# Altium PCB PCB_Bluetooth_Device_nRF52820.PcbDoc (part 1 of 2)
Units mil, origin at the board's own origin, x right, y up, seen from the top; angles counter-clockwise.
Board outline 2593.5 x 2447.83 mil, 4 copper layers (Layer 1, Layer 2, Layer 3, Layer 4), stack 61.496 mil thick; 106 components, 60 nets, 322 pads, 357 vias.
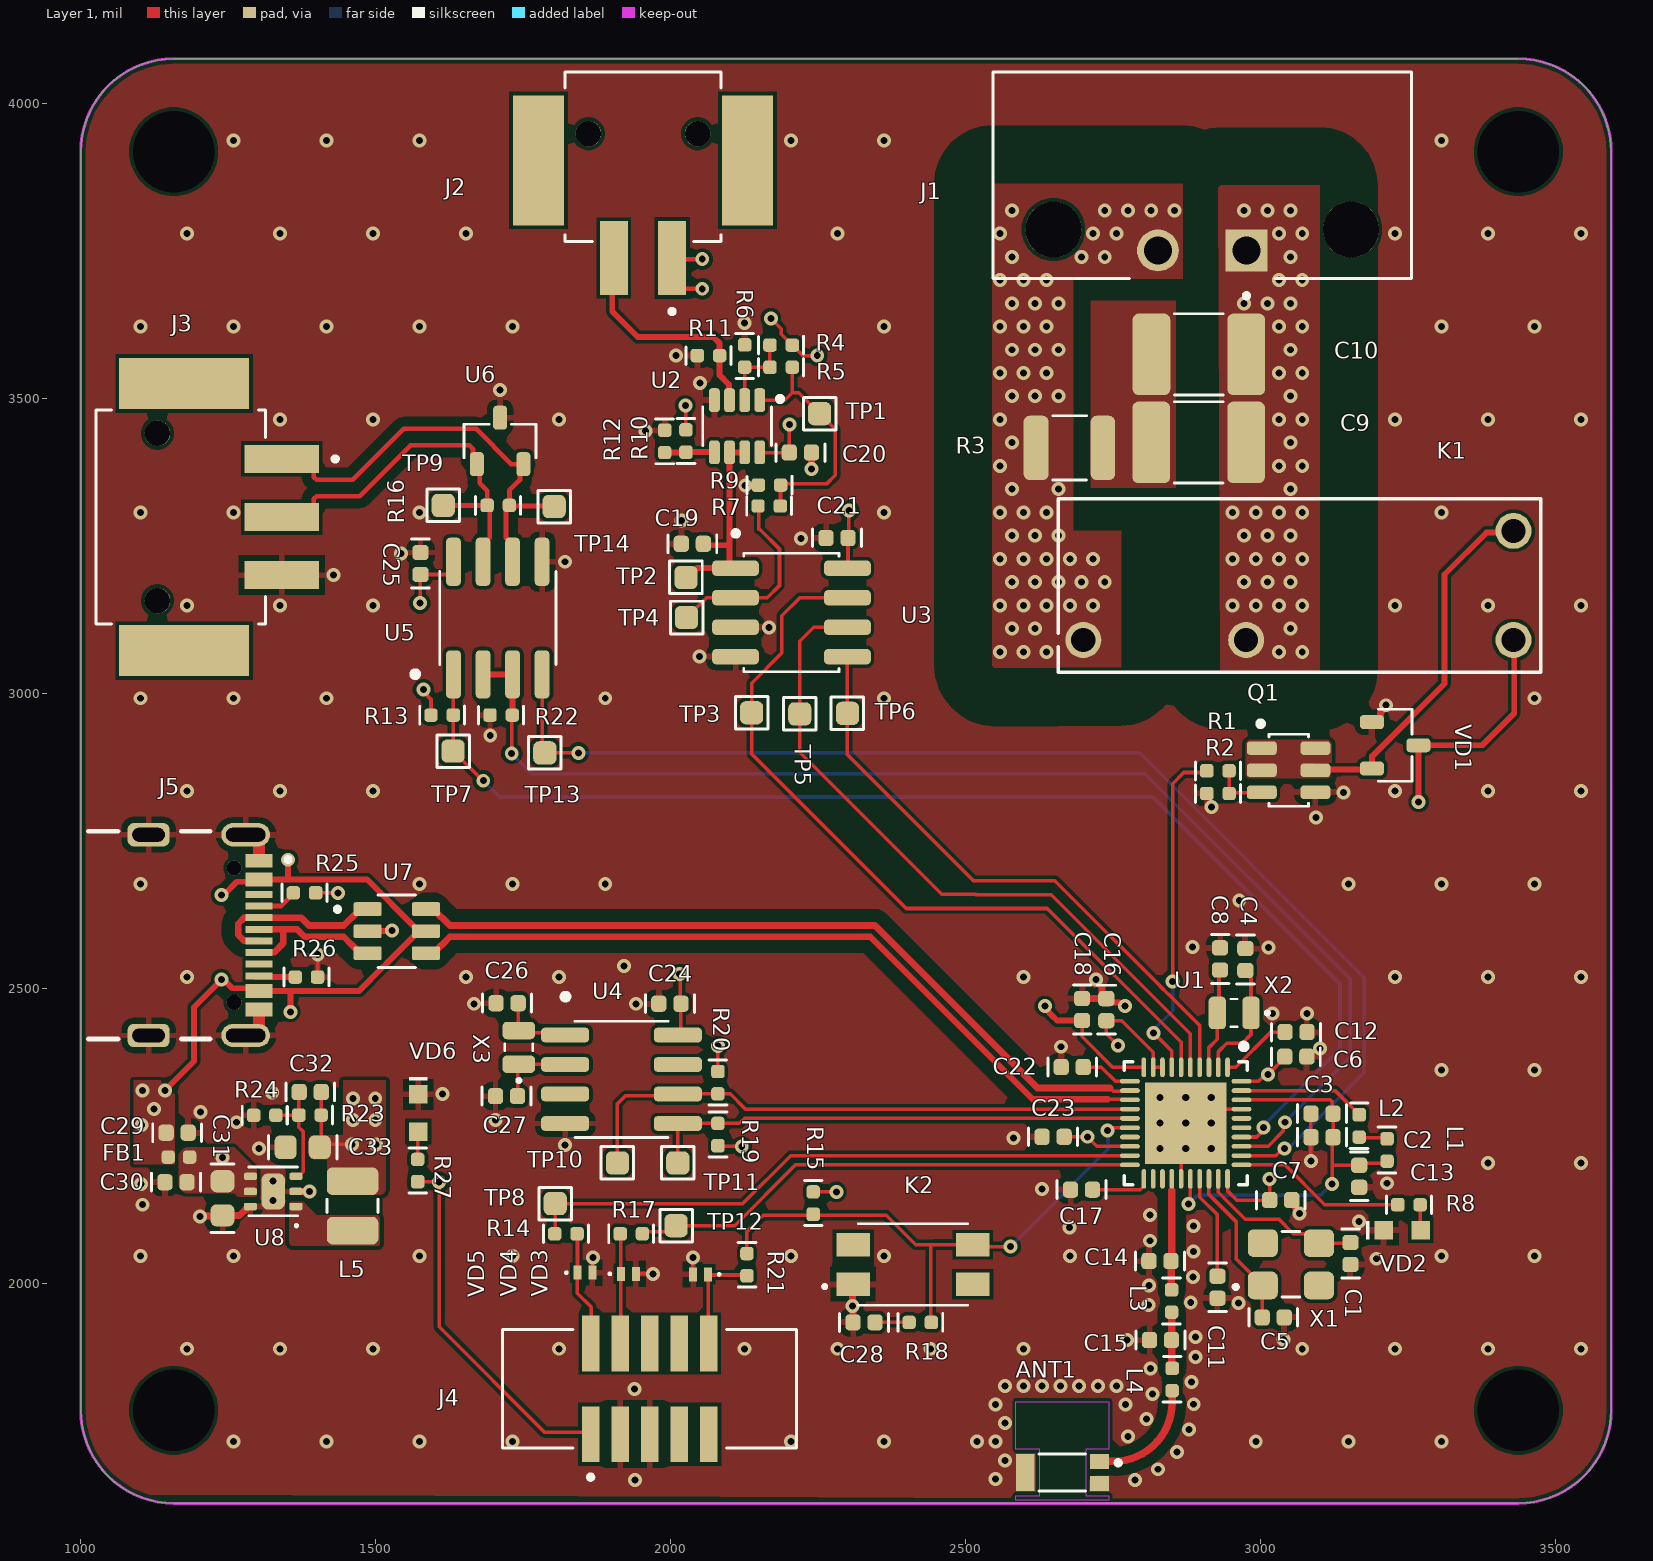
[diagram p0: Layer 1 view]
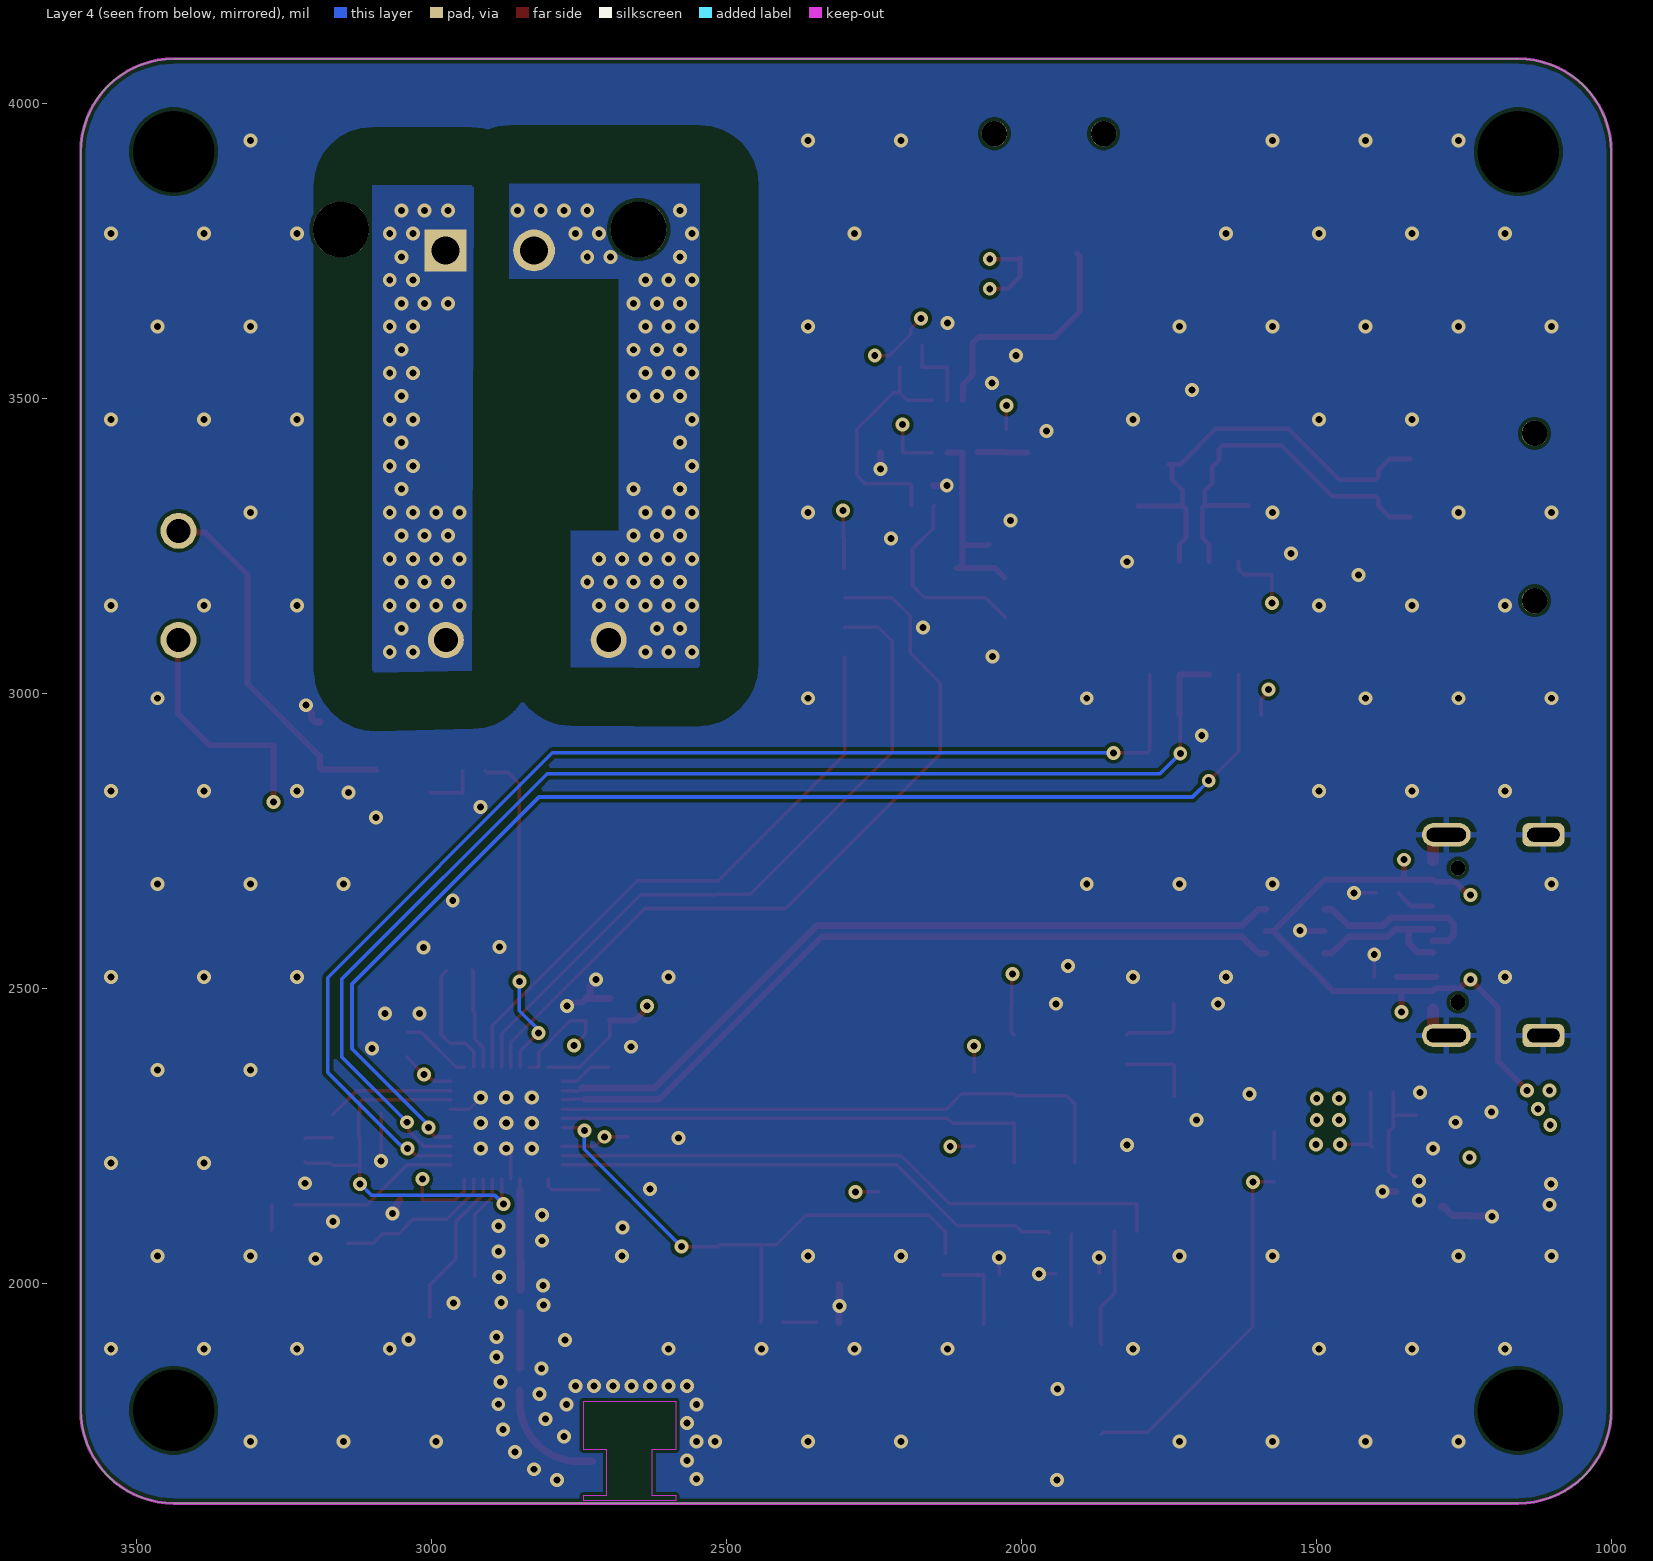
[diagram p1: Layer 4 view, seen from below]
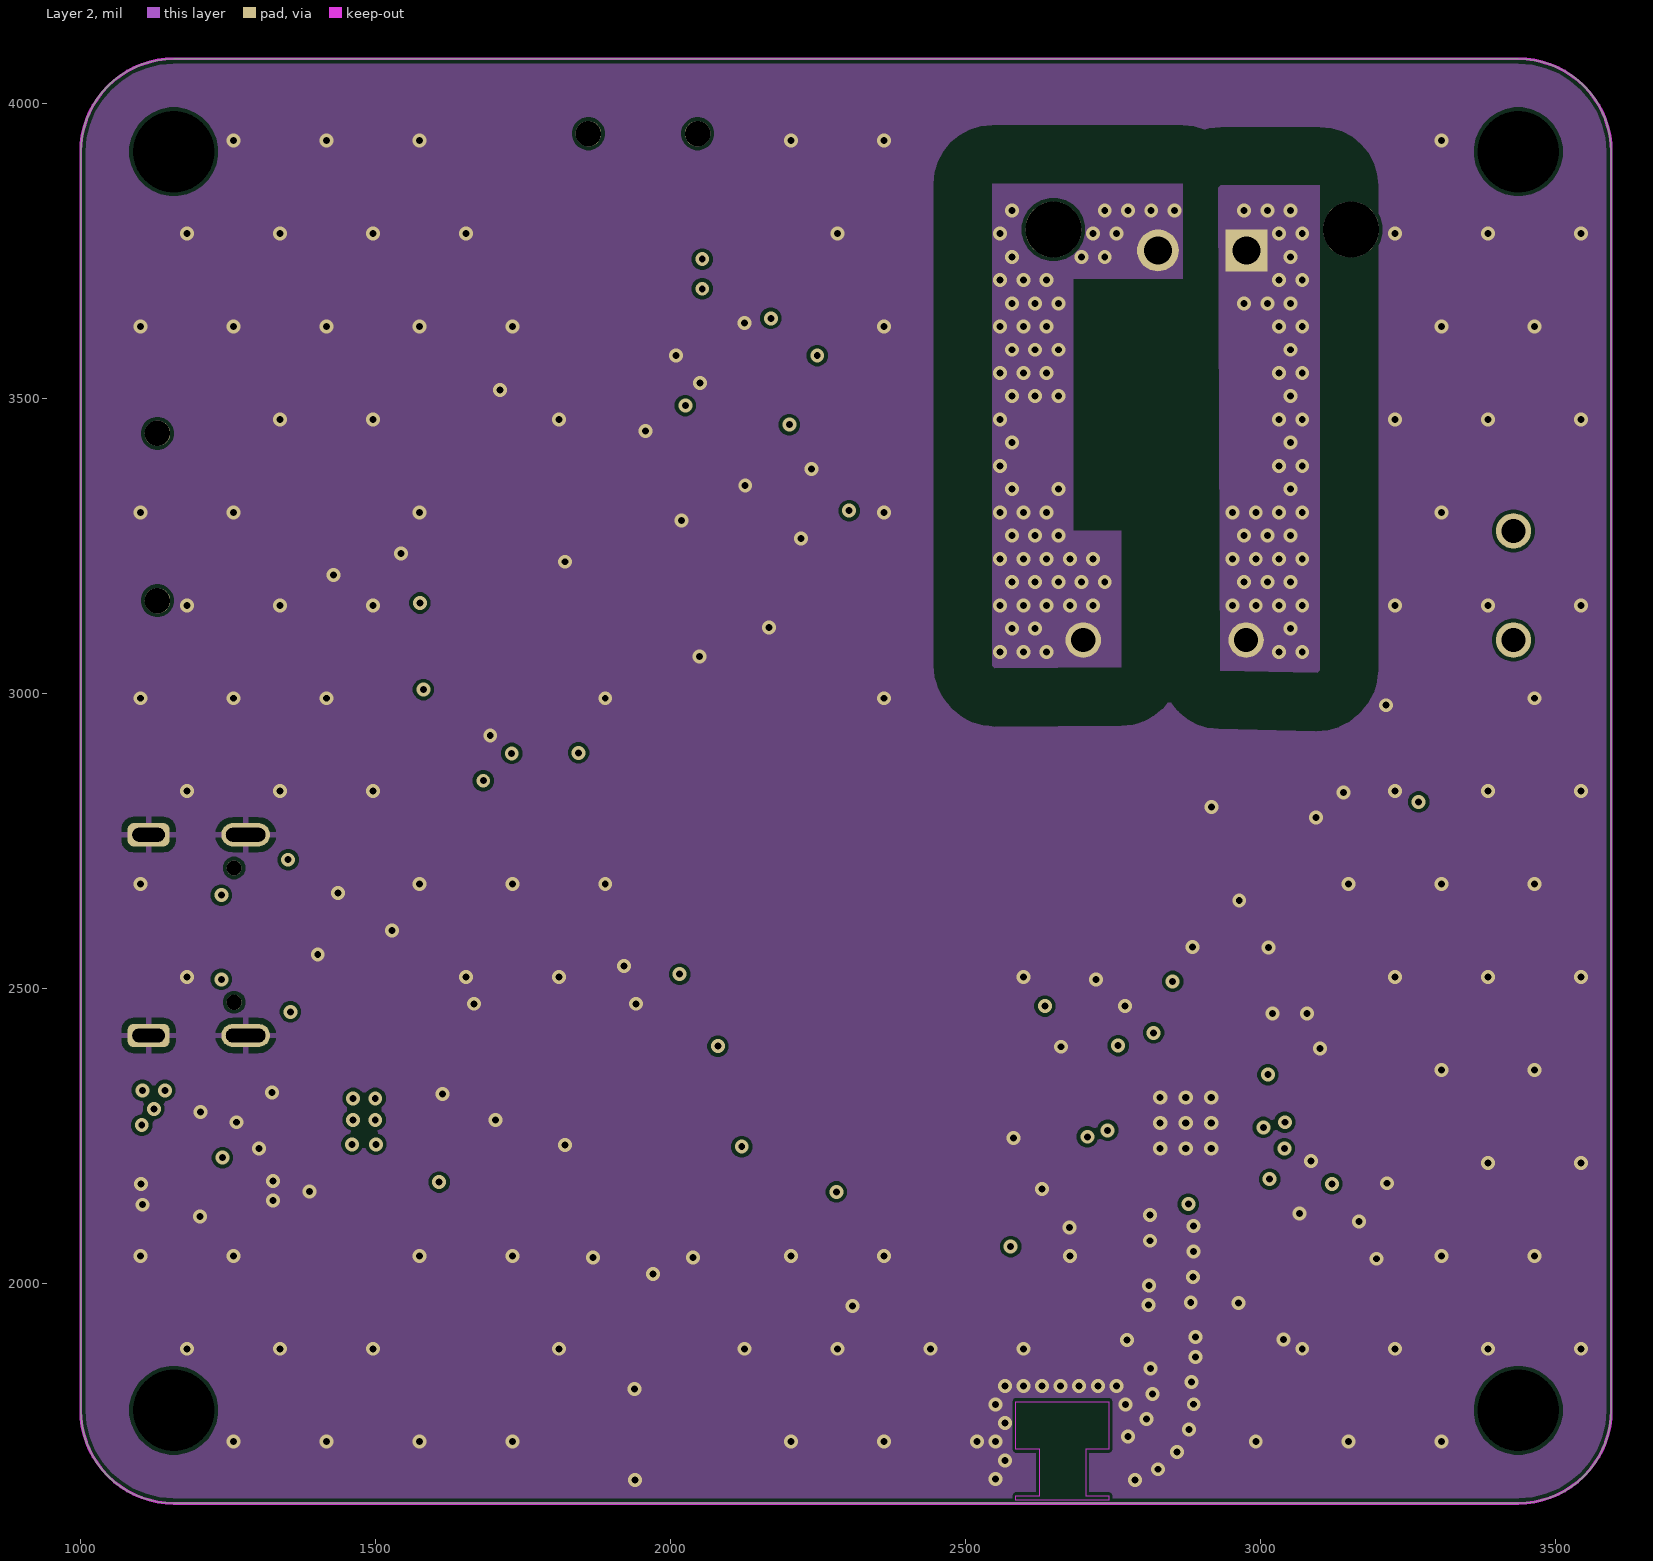
[diagram p2: Layer 2]
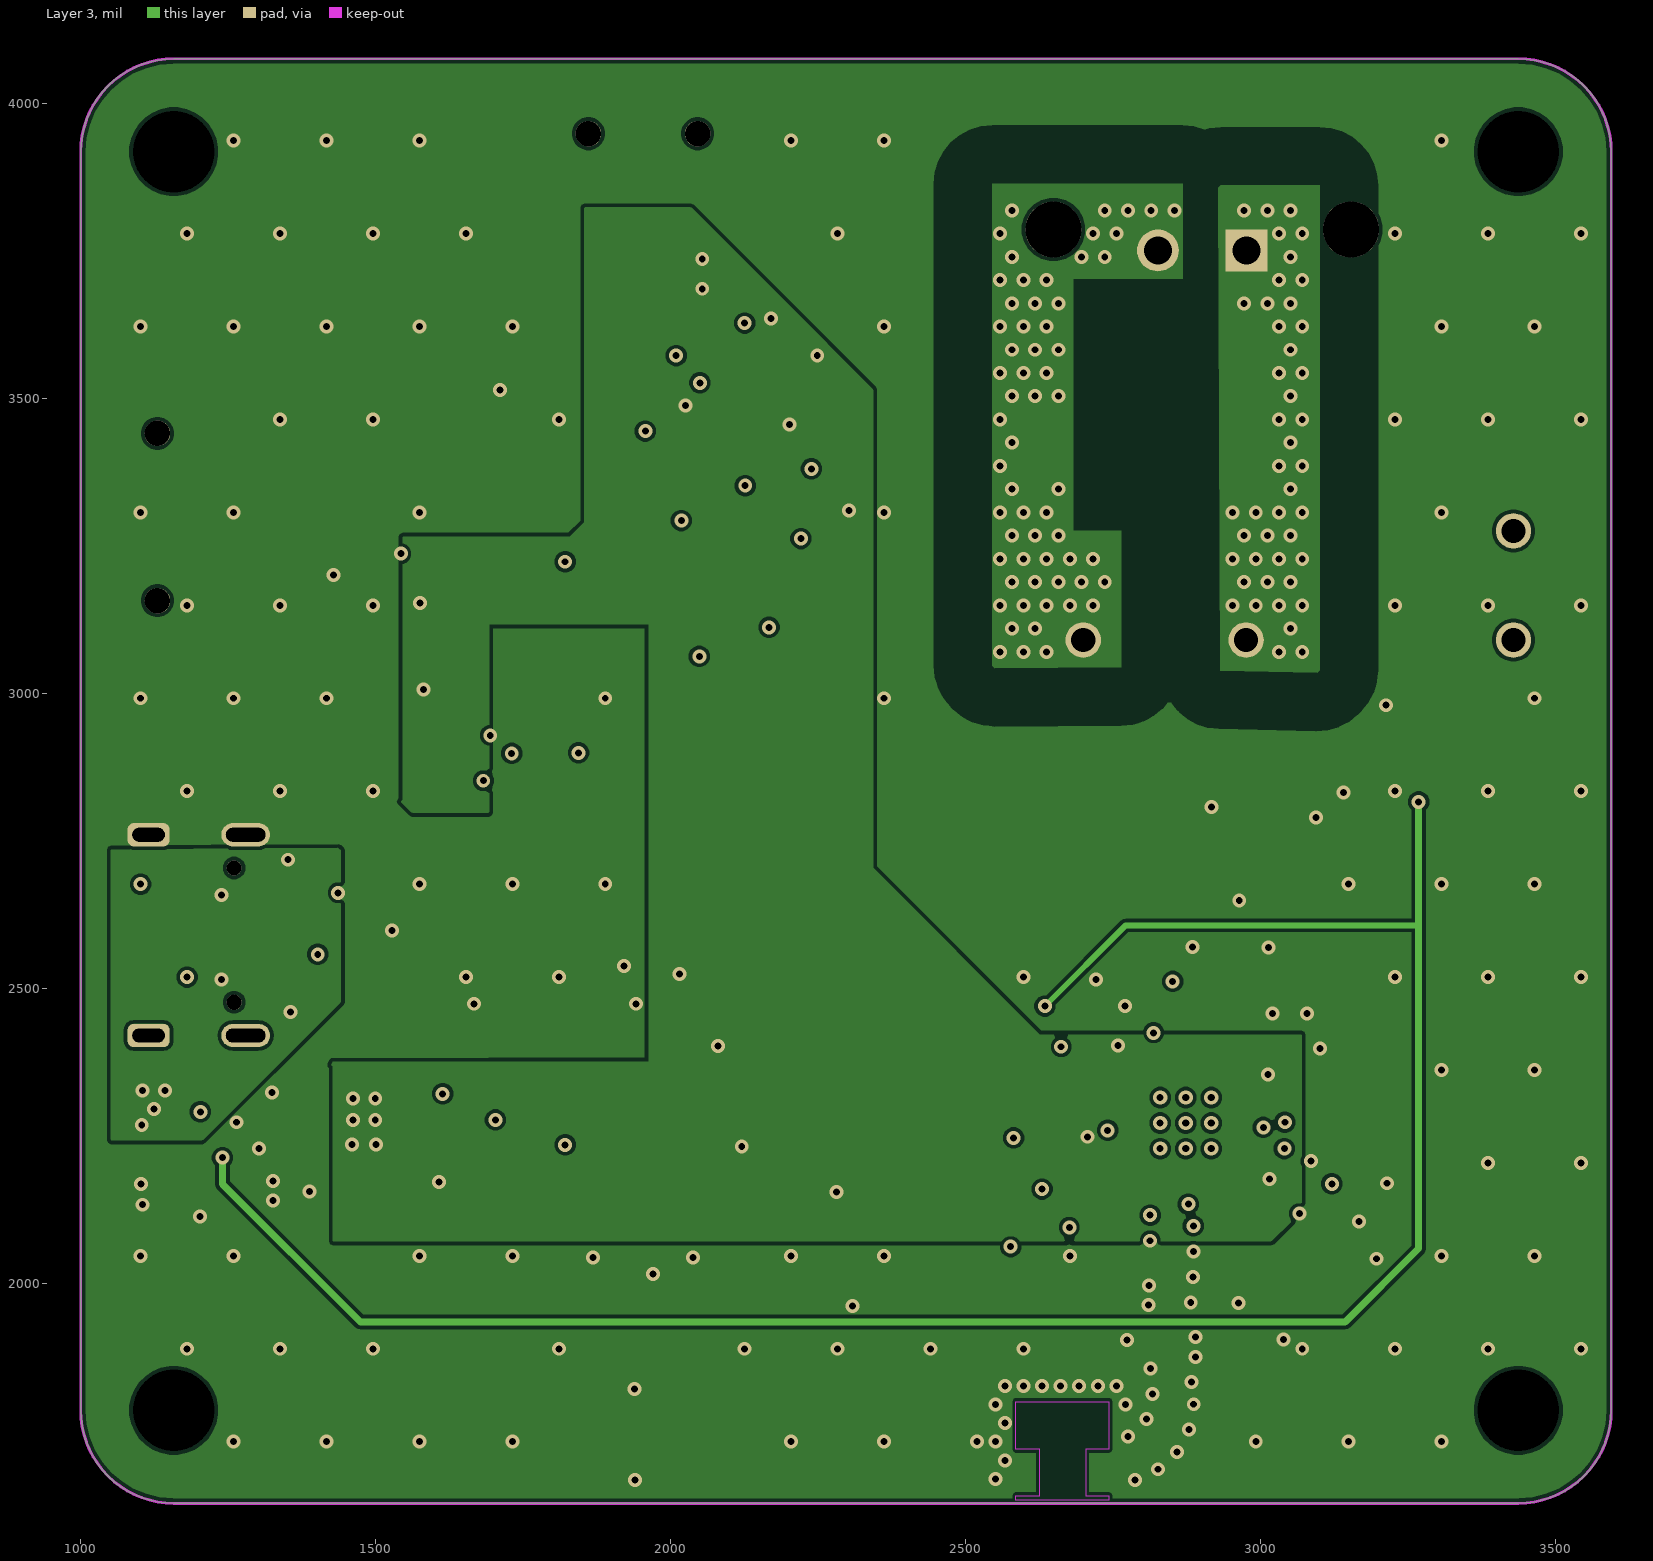
[diagram p3: Layer 3]
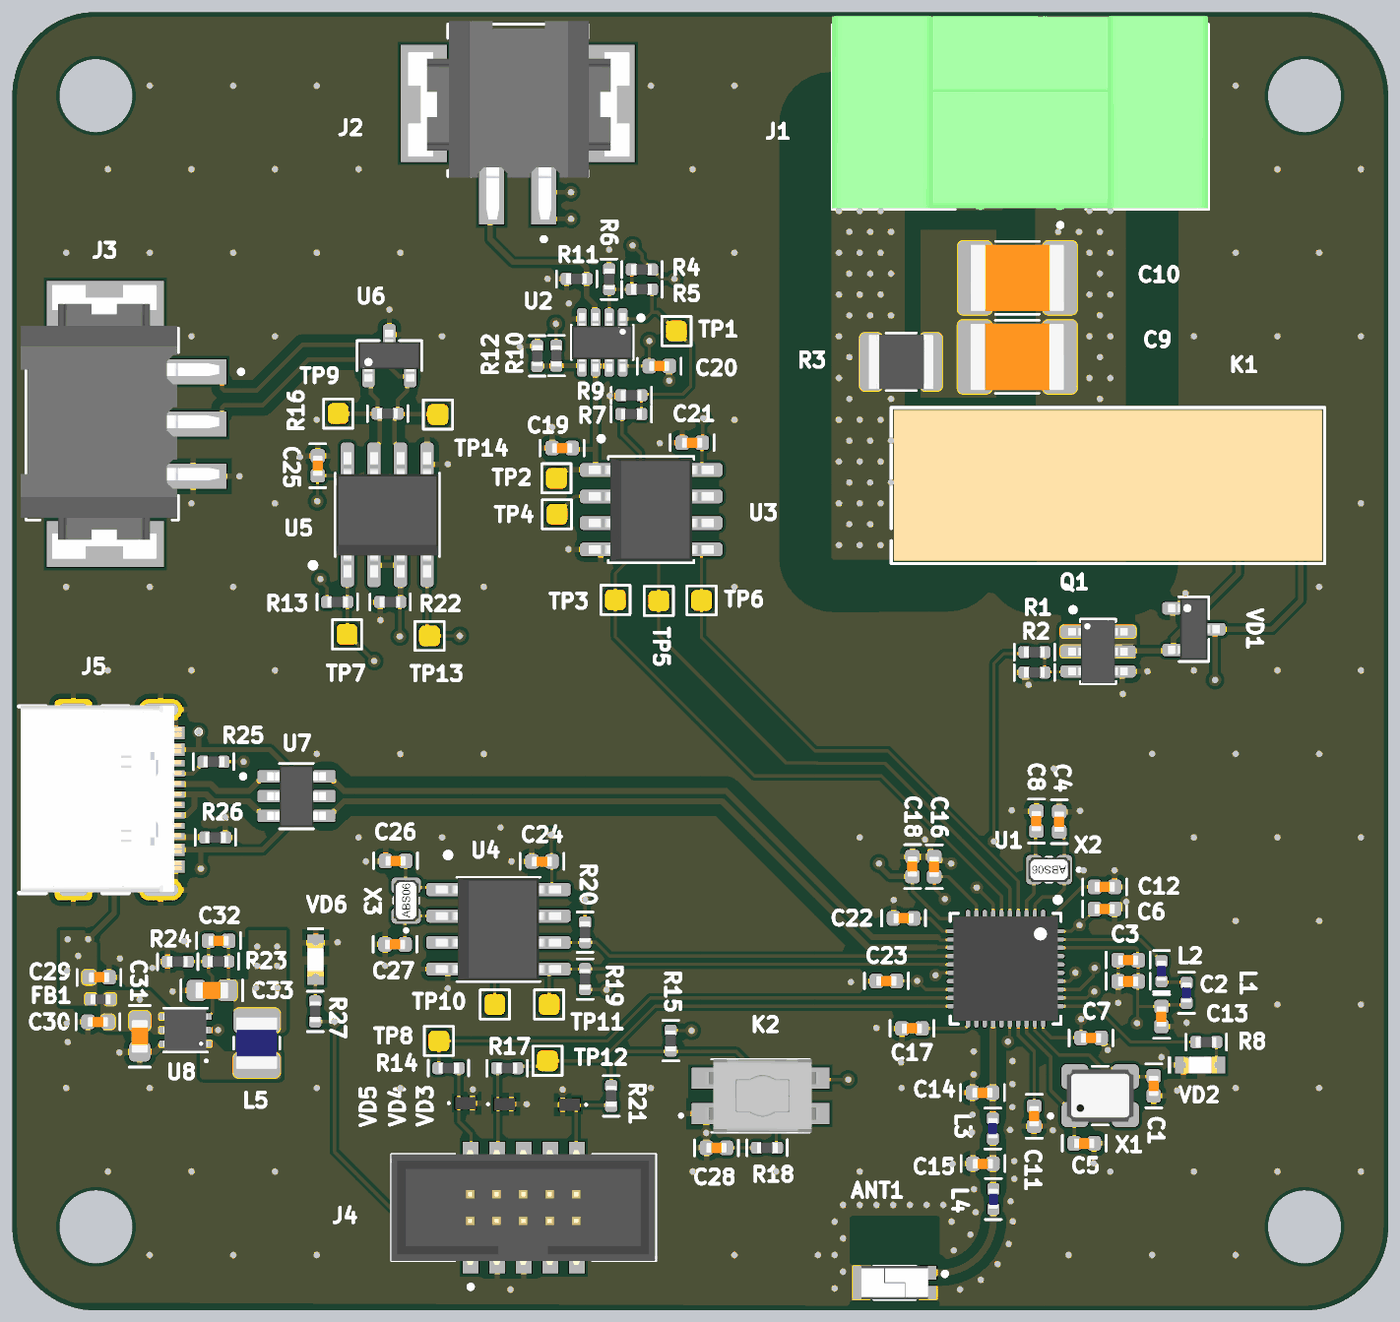
[diagram p5: 3D render of the assembled board from above, using the file's embedded part models]

## Layer stack, top to bottom
Top Solder: solder mask 0.4, Solder Resist, Dk 3.5
Layer 1: signal copper 1.378
Dielectric 2: prepreg 7.7165, PP-006, Dk 4.56
Layer 2: signal copper 1.378
Dielectric 1: dielectric 40.5512, FR-4, Dk 4.6
Layer 3: signal copper 1.378
Dielectric 3: prepreg 7.7165, PP-006, Dk 4.56
Layer 4: signal copper 1.378
Bottom Solder: solder mask 0.4, Solder Resist, Dk 3.5

## Board outline
1000.98,1785.43 1000.98,3918.31 cw(c1158.46,3918.31) 1158.46,4075.79 3437.01,4075.79 cw(c3437.01,3918.31) 3594.49,3918.31 3594.49,1785.43 cw(c3437.01,1785.43) 3437.01,1627.95 1158.46,1627.95 cw(c1158.46,1785.43)
